# Altium PCB MainBoard.PcbDoc
Units mm, origin at the board's own origin, x right, y up, seen from the top; angles counter-clockwise.
Board outline 80 x 29 mm, 4 copper layers (SIG, AGND, Power, DGND), stack 0.778 mm thick; 87 components, 63 nets, 323 pads, 143 vias.
Unrouted connection lines stored in the file: 3.
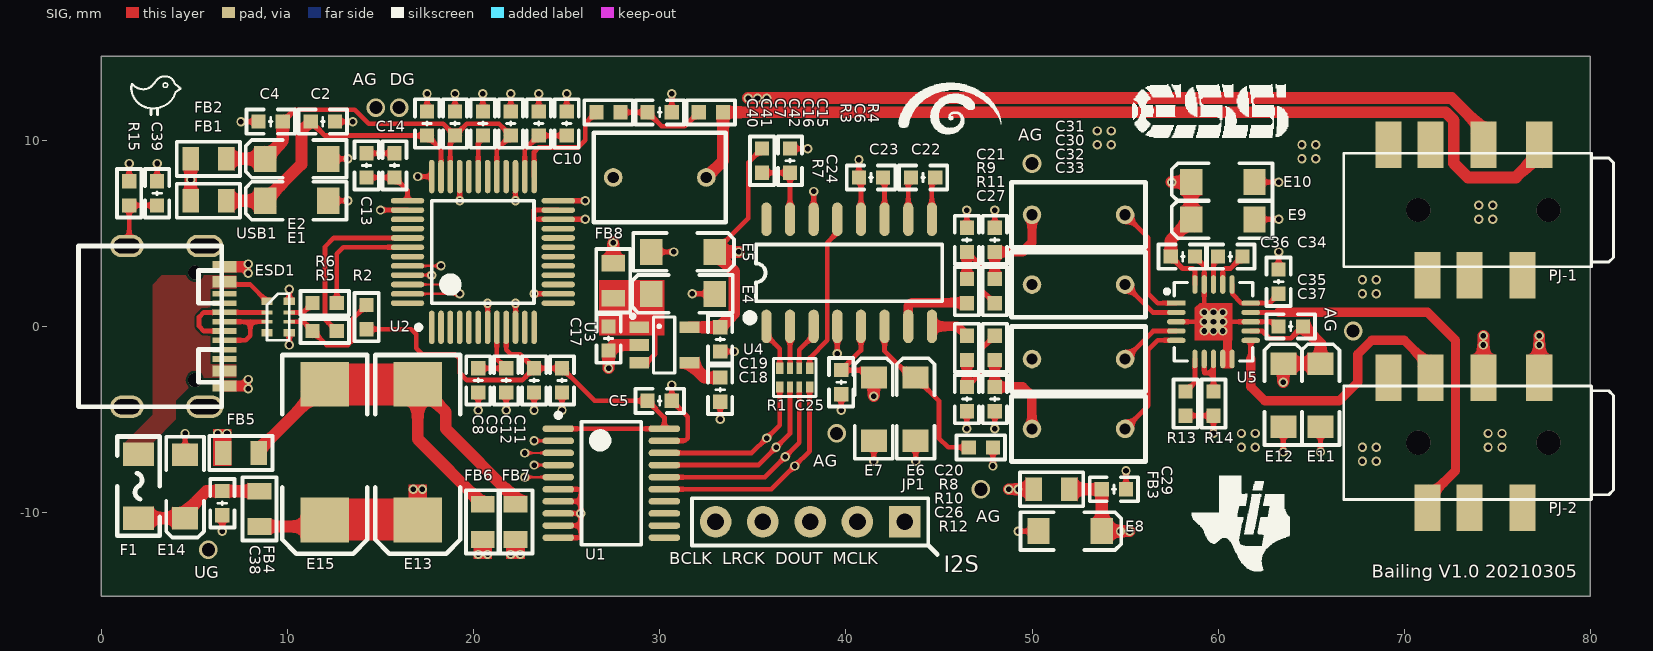
[diagram p0: SIG view]
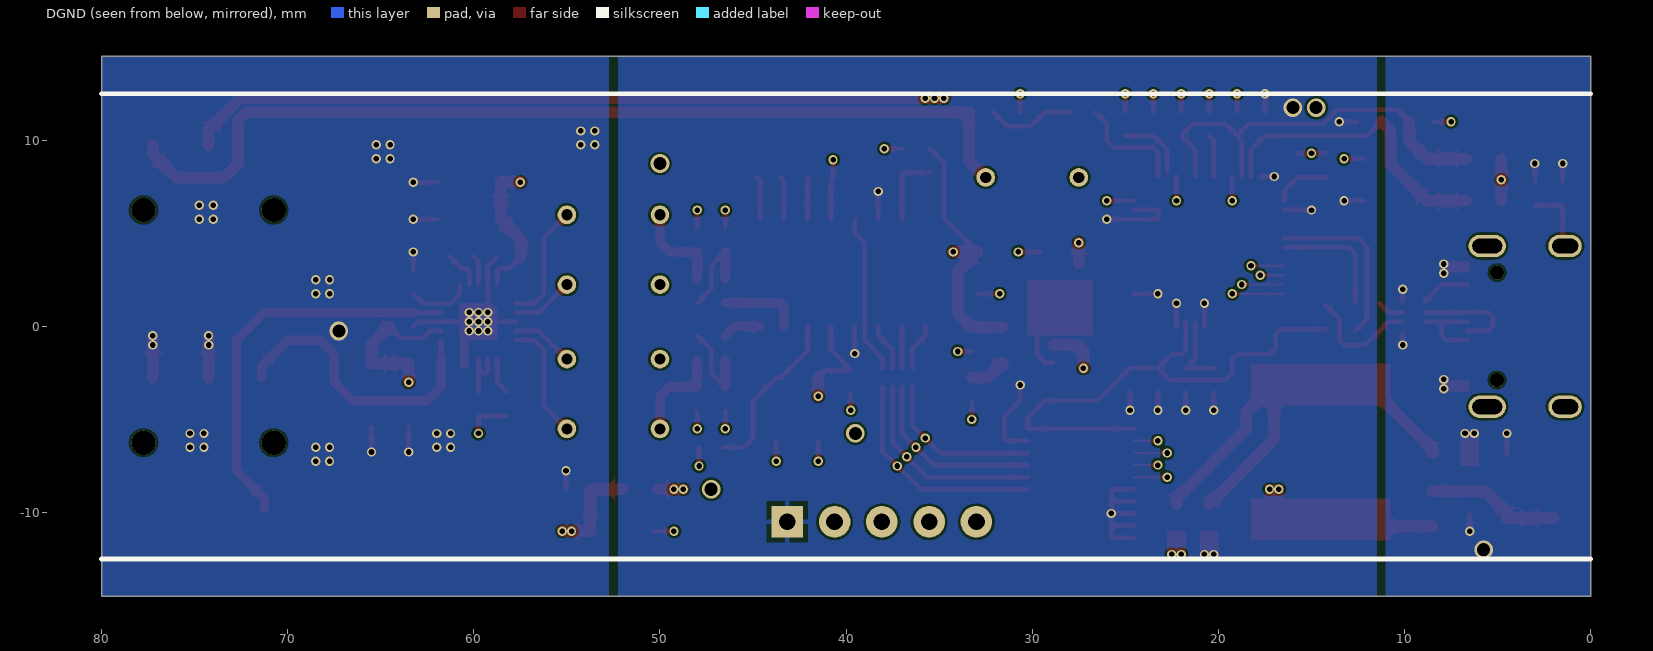
[diagram p1: DGND view, seen from below]
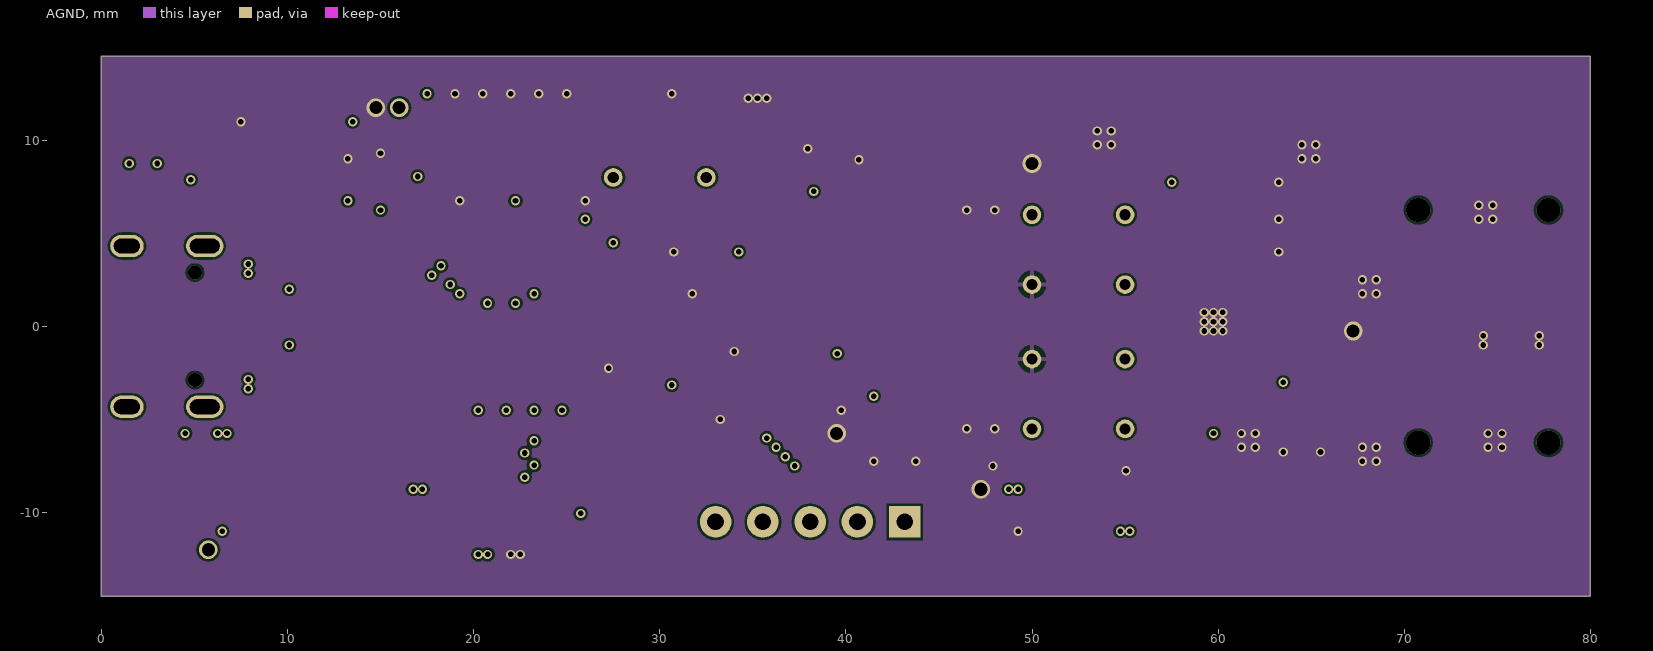
[diagram p2: AGND]
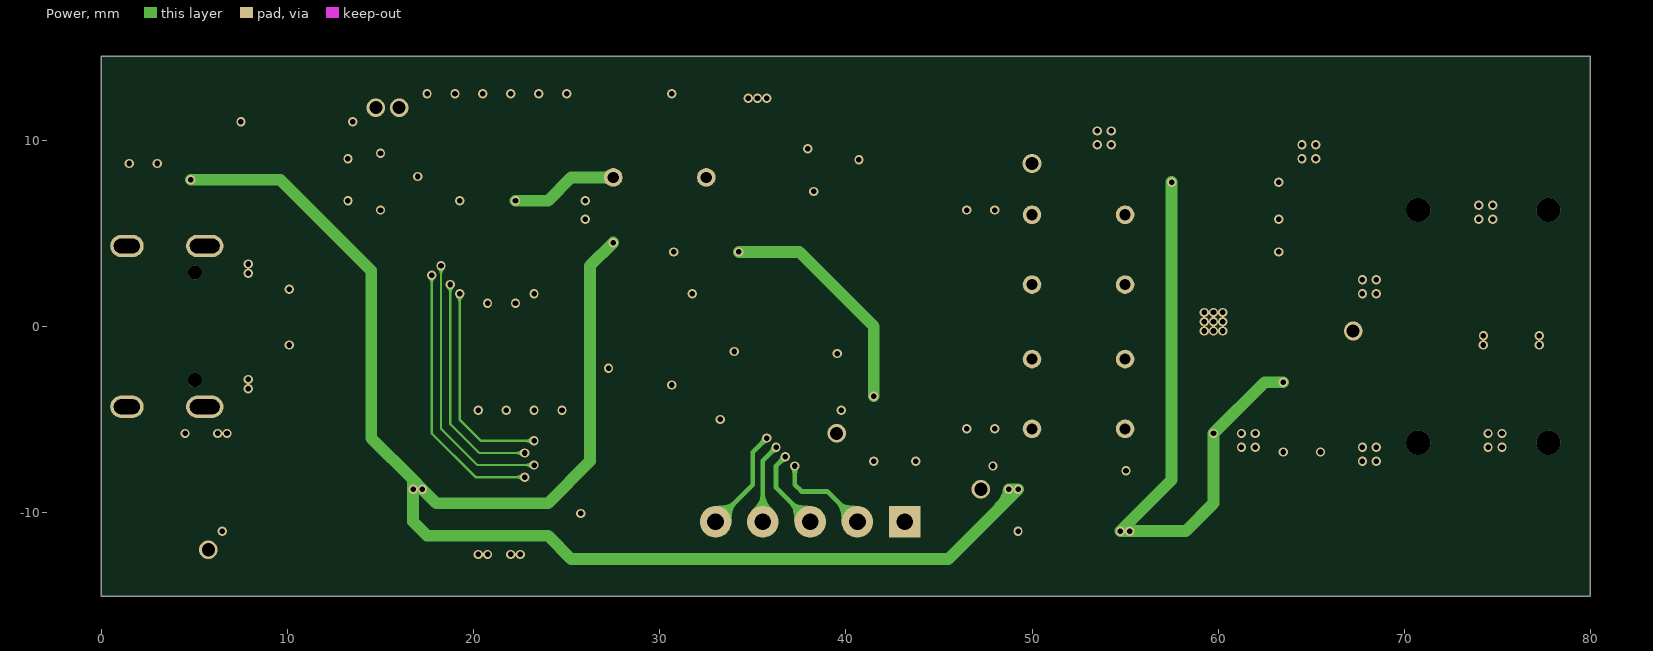
[diagram p3: Power]

## Layer stack, top to bottom
Top Solder: solder mask 0.0102, Solder Resist, Dk 3.5
SIG: signal copper 0.0356
Dielectric 1: core 0.254, FR-4, Dk 4.2
AGND: signal copper 0.036
Dielectric 3: prepreg 0.127, Dk 4.2
Power: signal copper 0.036
Dielectric 2: core 0.254, Dk 4.2
DGND: signal copper 0.0356
Bottom Solder: solder mask 0.0102, Solder Resist, Dk 3.5

## Board outline
0,-14.5 0,14.5 80,14.5 80,-14.5

## Design rules (kind name [scope] priority, off if disabled: settings)
Clearance [All] p1: gap=0.127
PolygonConnect PolygonConnect_FULL [IsVia or InNet('NetESD1_1')] p1: connectstyle=Direct reliefconductorwidth=0.254 reliefentries=4 polygonreliefangle="90 Angle" airgapwidth=0.254
PolygonConnect PolygonConnect_1 [All] p2: connectstyle=Relief reliefconductorwidth=0.254 reliefentries=4 polygonreliefangle="90 Angle" airgapwidth=0.254
RoutingVias [All] p1: holewidth=0.711 width=1.27 viastyle="Through Hole" minholewidth=0.711 minwidth=1.27 maxholewidth=0.711 maxwidth=1.27
SolderMaskExpansion [All] p1: expansion=0.102
Width [All] p1: maxlimit=1.27 minlimit=0.127 preferedwidth=0.254
30 further rules are at their usual default settings.

## Classes and differential pairs
component class AMP: C29 C30 C31 C32 C33 C34 C35 C36 C37 E8 E9 E10 E11 E12 FB3 PJ-2 R13 R14
component class DAC: C17 C18 C19 C20 C21 C22 C23 C24 C25 C26 C27 E4 E5 E6 E7 FB8 R7 R8 R9 R10 R11 R12 U3 U4
component class I2S_MIC: C2 C4 C5 C6 C7 C8 C9 C10 C11 C12 C13 C14 C15 C16 C40 C41 C42 E1 E2 FB1 FB2 JP1 PJ-1 R1 R2 R3 R4 R5 R6 U1 U2
component class USB: C38 C39 E13 E14 E15 ESD1 F1 FB4 FB5 FB6 FB7 R15 USB1

## Components (designator, comment, footprint, x,y, rotation, side; value= is the part's Value field where it differs from the comment)
C2 "104" "C 0603_L" 11.9,11 r180 top
C4 "104" "C 0603_L" 9.1,11 r0 top
C5 "104" "C 0603_L" 30,-4 r180 top
C6 "4.7uF" "C 0603_L" 30,11.5 r0 top
C7 "1uF" "C 0603_L" 20.5,10.9 r270 top
C8 "4.7uF" "C 0603_L" 20.25,-2.9 r90 top
C9 "104" "C 0603_L" 21.75,-2.9 r270 top
C10 "1uF" "WIMA 1uF" 30,8 r0 top
C11 "4.7uF" "C 0603_L" 24.75,-2.9 r90 top
C12 "104" "C 0603_L" 23.25,-2.9 r270 top
C13 "4.7uF" "C 0603_L" 14.25,8.65 r270 top
C14 "104" "C 0603_L" 15.75,8.65 r90 top
C15 "4.7uF" "C 0603_L" 25,10.9 r270 top
C16 "104" "C 0603_L" 23.5,10.9 r90 top
C17 "104" "C 0603_L" 27.25,-0.65 r90 top
C18 "22nF" "C 0603_L" 33.25,-3.4 r90 top
C19 "104" "C 0603_L" 33.25,-0.7 r90 top
C20 "4.7nF" "C 0603_L" 46.5,4.645 r90 top
C21 "1nF" "C 0603_L" 48,4.645 r90 top
C22 "105" "C 0603_L" 44.15,8 r180 top
C23 "105" "C 0603_L" 41.35,8 r180 top
C24 "4.7uF" "C 0603_L" 37,8.9 r90 top
C25 "104" "C 0603_L" 39.75,-3 r90 top
C26 "4.7nF" "C 0603_L" 46.5,-3.905 r90 top
C27 "1nF" "C 0603_L" 48,-3.905 r90 top
C29 "104" "C 0603_L" 54.4,-8.75 r180 top
C30 "0.47uF" "WIMA 0.47uF" 52.5,2.245 r0 top
C31 "0.47uF" "WIMA 0.47uF" 52.5,5.995 r0 top
C32 "0.47uF" "WIMA 0.47uF" 52.5,-1.755 r0 top
C33 "0.47uF" "WIMA 0.47uF" 52.5,-5.505 r0 top
C34 "1uF" "C 0603_L" 60.65,3.75 r0 top
C35 "1uF" "C 0603_L" 63.25,2.4 r90 top
C36 "104" "C 0603_L" 58.1,3.75 r180 top
C37 "104" "C 0603_L" 63.9,0 r0 top
C38 "104" "C 0603_L" 6.5,-9.5 r90 top
C39 "103" "C 0603_L" 3,7.15 r90 top
C40 "104" "C 0603_L" 17.5,10.9 r90 top
C41 "104" "C 0603_L" 19,10.9 r90 top
C42 "104" "C 0603_L" 22,10.9 r270 top
E1 "10uF/25V" "CD A(3216)" 10.5,6.75 r0 top
E2 "10uF/25V" "CD A(3216)" 10.5,9 r0 top
E4 "10uF/25V" "CD A(3216)" 31.25,1.75 r0 top
E5 "10uF/25V" "CD A(3216)" 31.25,4 r180 top
E6 "10uF/25V" "CD A(3216)" 43.75,-4.45 r270 top
E7 "10uF/25V" "CD A(3216)" 41.5,-4.45 r270 top
E8 "10uF/25V" "CD A(3216)" 52.05,-11 r180 top
E9 "10uF/25V" "CD A(3216)" 60.25,5.75 r0 top
E10 "10uF/25V" "CD A(3216)" 60.25,7.75 r0 top
E11 "10uF/25V" "CD A(3216)" 65.5,-3.7 r270 top
E12 "10uF/25V" "CD A(3216)" 63.5,-3.7 r270 top
E13 "100uF/25V" "CD D(7343)" 17,-6.75 r90 top
E14 "10uF/25V" "CD A(3216)" 4.5,-8.6 r90 top
E15 "100uF/25V" "CD D(7343)" 12,-6.75 r90 top
ESD1 "ECMF02-4CMX8" QFN8L 9.5,0.5 r270 top
F1 "0.5A" "FU 1206" 2,-8.586 r270 top
FB1 "600R" "R 0805_L" 5.75,6.75 r0 top
FB2 "600R" "R 0805_L" 5.75,9 r0 top
FB3 "600R" "R 0805_L" 51.05,-8.75 r0 top
FB4 "600R" "R 0805_L" 8.5,-9.8 r270 top
FB5 "600R/0R" "R 0805_L" 7.5,-6.8 r0 top
FB6 "600R" "R 0805_L" 20.5,-10.5 r90 top
FB7 "600R" "R 0805_L" 22.25,-10.5 r90 top
FB8 "600R" "R 0805_L" 27.5,2.45 r270 top
JP1 "HDR-1X5" HDR2.54-LI-5P 38.08,-10.5 r180 top
PJ-1 "J?" PJ-393-7A 74.001,6.25 r270 top locked
PJ-2 "J?" PJ-393-7A 74.001,-6.25 r270 top locked
R1 "33R" RCA-8P4R-0402 37.25,-2.75 r180 top
R2 "1.5K" "R 0603_L" 14.25,0.5 r270 top
R3 "2.2K" "R 0603_L" 27.25,11.5 r0 top
R4 "1.2K" "R 0603_L" 32.75,11.5 r0 top
R5 "22R" "R 0603_L" 12,-0.25 r0 top
R6 "22R" "R 0603_L" 12,1.25 r0 top
R7 "100K" "R 0603_L" 35.5,8.9 r270 top
R8 "470R" "R 0603_L" 46.5,1.895 r270 top
R9 "470R" "R 0603_L" 48,1.895 r270 top
R10 "470R" "R 0603_L" 46.5,-1.155 r90 top
R11 "470R" "R 0603_L" 48,-1.155 r90 top
R12 "130K" "R 0603_L" 47.25,-6.5 r180 top
R13 "10K" "R 0603_L" 58.25,-4.15 r90 top
R14 "10K" "R 0603_L" 59.75,-4.15 r90 top
R15 "1M" "R 0603_L" 1.5,7.15 r90 top
U1 "SN74LVC245" TSSOP20_N 27.4,-8.425 r0 top
U2 "CM108B" LQFP48_N 20.5,4 r90 top
U3 "RT9193" SOT23-5N 30.25,-1 r270 top
U4 "ES9023" SOP16_N 40.175,2.877 r90 top
U5 "TPA6133A2" "QFN20 4X4_N" 59.75,0.25 r270 top
USB1 "Type-C" USB-TYPE-C_16PIN-MALE-TYPE-C-31-M-12 4,0 r270 top locked

## Footprints (in the part's own frame and the unit in brackets; to place one, negate y for a bottom-side part, rotate by r counter-clockwise, add the part's x,y. Pads: shape width x height; smd on the part's side, far side on the other; paste and mask are expansions set on the pad)
"C 0603_L" [mil] "无极性贴片电容                                       淘宝ID:黄晶宝石"
  rect 30x30 smd: 1(-25.59,0) 2(25.59,0)
  silkscreen extent -51,-26 51,26, body extent -31,-16 31,16, height 32
"CD A(3216)" [mm] "长3.2mm，宽1.6mm，厚1.6mm      淘宝ID:黄晶宝石"
  rect 1.2x1.4 smd: 1(-1.7,0) 2(1.7,0)
  silkscreen extent -2.74,-1.02 2.67,1.02, body extent -1.6,-0.8 1.6,0.8, height 1.6
"CD D(7343)" [mm] "长7.3mm，宽4.3mm，厚2.8mm      淘宝ID:黄晶宝石"
  rect 2.4x2.6 smd: 1(-3.65,0) 2(3.65,0)
  silkscreen extent -5.46,-2.29 5.21,2.29, body extent -3.65,-2.15 3.65,2.15, height 2.8
"FU 1206" [mil] "贴片保险丝"
  rect 50x65 smd: 1(-67.5,0) 2(67.5,0)
  silkscreen extent -105,-45 105,45, body extent -63,-32 63,32, height 34
HDR2.54-LI-5P [mm] "排针，5脚"
  rect 1.7x1.7 hole 0.9: 1(-5.08,0)
  round 1.7 hole 0.9: 2(-2.54,0) 3(0,0) 4(2.54,0) 5(5.08,0)
  silkscreen extent -6.35,-1.27 6.35,1.27, body extent -6.35,-1.27 6.35,1.27, height 8.5
LQFP48_N [mm] "封装库来自淘宝 ID：黄晶宝石 Thin QFP, 48-Leads, Body 7x7mm, Pitch 0.5mm, IPC Medium Density"
  oval 1.8x0.3 smd: 1(-4.05,2.75) 2(-4.05,2.25) 3(-4.05,1.75) 4(-4.05,1.25) 5(-4.05,0.75) 6(-4.05,0.25) 7(-4.05,-0.25) 8(-4.05,-0.75) 9(-4.05,-1.25) 10(-4.05,-1.75) 11(-4.05,-2.25) 12(-4.05,-2.75) 25(4.05,-2.75) 26(4.05,-2.25) 27(4.05,-1.75) 28(4.05,-1.25) 29(4.05,-0.75) 30(4.05,-0.25) 31(4.05,0.25) 32(4.05,0.75) 33(4.05,1.25) 34(4.05,1.75) 35(4.05,2.25) 36(4.05,2.75)
  oval 0.3x1.8 smd: 13(-2.75,-4.05) 14(-2.25,-4.05) 15(-1.75,-4.05) 16(-1.25,-4.05) 17(-0.75,-4.05) 18(-0.25,-4.05) 19(0.25,-4.05) 20(0.75,-4.05) 21(1.25,-4.05) 22(1.75,-4.05) 23(2.25,-4.05) 24(2.75,-4.05) 37(2.75,4.05) 38(2.25,4.05) 39(1.75,4.05) 40(1.25,4.05) 41(0.75,4.05) 42(0.25,4.05) 43(-0.25,4.05) 44(-0.75,4.05) 45(-1.25,4.05) 46(-1.75,4.05) 47(-2.25,4.05) 48(-2.75,4.05)
  silkscreen extent -4.17,-2.75 2.75,3.57, body extent -4.5,-4.5 4.5,4.5, height 1.45
PJ-393-7A [mm]
  rect 2.5x1.4 smd: 1(-3.5,3.25) 2(-3.5,0.25) 3(-3.5,-2.6) 4(3.5,-2.75) 5(3.5,2.35) 6(3.5,-0.5) 7(-3.5,-4.85)
  round 1.3 hole 1.3 unplated: ""(0,3.749) ""(0,-3.249)
  silkscreen extent -3.05,-7.25 3.05,7.24
QFN8L [mm]
  rect 0.4x0.6 smd: 1(-0.85,-0.6) 4(0.85,-0.6) 5(0.85,0.6) 8(-0.85,0.6)
  rect 0.2x0.6 smd: 2(-0.25,-0.6) 3(0.25,-0.6) 6(0.25,0.6) 7(-0.25,0.6)
  silkscreen extent -1.25,-0.6 1.25,0.6
"QFN20 4X4_N" [mm] "20脚，长x宽x高：4x4x0.95mm，脚距：0.5mm"
  rect 0.28x1 smd: 1(-1,-2)
  oval 0.28x1 smd: 2(-0.5,-2) 3(0,-2) 4(0.5,-2) 5(1,-2) 11(1,2) 12(0.5,2) 13(0,2) 14(-0.5,2) 15(-1,2)
  oval 1x0.28 smd: 6(2,-1) 7(2,-0.5) 8(2,0) 9(2,0.5) 10(2,1) 16(-2,1) 17(-2,0.5) 18(-2,0) 19(-2,-0.5) 20(-2,-1)
  rect 1x1 smd: 21(0,0)
  SIG region: -1,1 1,1 1,-1 -0.75,-1 -1,-0.75
  silkscreen extent -2.11,-2.6 2.11,2.11, body extent -2.01,-2.01 2.01,2.01, height 0.95
"R 0603_L" [mil] "1/10W贴片电阻                 淘宝ID:黄晶宝石"
  rect 30x30 smd: 1(-25.59,0) 2(25.59,0)
  silkscreen extent -51,-26 51,26, body extent -31,-16 32,16, height 16
"R 0805_L" [mil] "1/8W贴片电阻"
  rect 35x50 smd: 1(-37.4,0) 2(37.4,0)
  silkscreen extent -67,-36 67,36, body extent -39,-25 39,25, height 20
RCA-8P4R-0402 [mm] "2mm*1mm*0.45mm(长*宽*厚)"
  rect 0.4x0.6 smd: 1(-0.8,-0.5) 4(0.8,-0.5) 5(0.8,0.5) 8(-0.8,0.5)
  rect 0.3x0.6 smd: 2(-0.25,-0.5) 3(0.25,-0.5) 6(0.25,0.5) 7(-0.25,0.5)
  silkscreen extent -1.14,-1.02 1.15,1.01, body extent -1,-0.5 1,0.5, height 0.45
SOP16_N [mm] "10.3*6.2*1.8mm（长宽高）封装库来自淘宝卖家 ID：黄晶宝石"
  oval 1.8x0.55 smd: 1(-2.877,4.445) 2(-2.877,3.175) 3(-2.877,1.905) 4(-2.877,0.635) 5(-2.877,-0.635) 6(-2.877,-1.905) 7(-2.877,-3.175) 8(-2.877,-4.445) 9(2.877,-4.445) 10(2.877,-3.175) 11(2.877,-1.905) 12(2.877,-0.635) 13(2.877,0.635) 14(2.877,1.905) 15(2.877,3.175) 16(2.877,4.445)
  silkscreen extent -2.57,-5 1.52,5.49, body extent -3,-5 3,5, height 1.9
SOT23-5N [mm] "3x1.6x1.1mm(长宽高)  封装库来自淘宝卖家 ID：黄晶宝石"
  rect 0.635x1.067 smd: 1(-0.95,-1.35) 2(0,-1.35) 3(0.95,-1.35) 4(0.95,1.35) 5(-0.95,1.35)
  silkscreen extent -1.63,-1.78 1.5,0.56, body extent -1.5,-1.4 1.5,1.4, height 1.15
TSSOP20_N [mm] "TSOP, 20-Leads, Body 6.5x4.4mm, Pitch 0.65mm, IPC Medium Density"
  oval 1.7x0.35 smd: 1(-2.85,2.925) 2(-2.85,2.275) 3(-2.85,1.625) 4(-2.85,0.975) 5(-2.85,0.325) 6(-2.85,-0.325) 7(-2.85,-0.975) 8(-2.85,-1.625) 9(-2.85,-2.275) 10(-2.85,-2.925) 11(2.85,-2.925) 12(2.85,-2.275) 13(2.85,-1.625) 14(2.85,-0.975) 15(2.85,-0.325) 16(2.85,0.325) 17(2.85,0.975) 18(2.85,1.625) 19(2.85,2.275) 20(2.85,2.925)
  silkscreen extent -2.97,-3.3 1.6,3.77, body extent -3.2,-3.22 3.2,3.27, height 1.03
USB-TYPE-C_16PIN-MALE-TYPE-C-31-M-12 [mm]
  oval 1.2x2 hole 0.8 slot 1.6 at 90 deg: 0(-4.32,1.556) 0(4.32,1.556)
  oval 1.2x1.8 hole 0.8 slot 1.4 at 90 deg: 0(-4.32,-2.624) 0(4.32,-2.624)
  rect 0.3x1.3 smd: A1(-3.35,2.623) A4(-2.55,2.623) A5(-1.25,2.623) A6(-0.25,2.623) A7(0.25,2.623) A8(1.25,2.624) A9(2.55,2.623) A12(3.35,2.623) B1(3.05,2.623) B4(2.25,2.623) B5(1.75,2.623) B6(0.75,2.623) B7(-0.75,2.623) B8(-1.75,2.624) B9(-2.25,2.623) B12(-3.05,2.623)
  round 0.75 hole 0.75 unplated: ""(-2.89,1.026) ""(2.89,1.026)
  silkscreen extent -4.32,-5.23 4.32,2.47
"WIMA 0.47uF" [mm] "5mm脚距 7.2宽8.5高3.5mm厚"
  round 1 hole 0.6: 1(-2.5,0) 2(2.5,0)
  silkscreen extent -3.6,-1.75 3.6,1.75
"WIMA 1uF" [mm] "5mm脚距7.1宽*9.7高*4.8厚"
  round 1 hole 0.6: 1(-2.5,0) 2(2.5,0)
  silkscreen extent -3.55,-2.4 3.55,2.4

## Part data
C2 C4 C5 C6 C7 C8 C9 C10 C11 C12 C13 C14 C15 C16 C17 C18 C19 C20 C21 C22 C23 C24 C25 C26 C27 C29 C30 C31 C32 C33 C34 C35 C36 C37 C38 C39 C40 C41 C42: library part C, "贴片电容"
E1 E2 E4 E5 E6 E7 E8 E9 E10 E11 E12 E13 E14 E15: library part CT, "贴片钽电容"
ESD1: "Common mode filter with ESD protection for USB 2.0 interface"
F1: library part FU, "贴片保险丝"
FB1 FB2 FB3 FB4 FB5 FB6 FB7 FB8 R2 R3 R4 R5 R6 R7 R8 R9 R10 R11 R12 R13 R14 R15: library part R, "贴片电阻"
JP1: library part "Header 5", "5P接插件"
PJ-1 PJ-2: library part PJ-393-7, "3.5mm 4段 耳机插座"
R1: library part R-8P4R, "贴片排阻"
U2: "USB"
U3: "高PSRR低噪声高速稳压"
U4: "24bit DAC 2Vrms"

## Via types
v1: diameter 0.5, hole 0.3, SIG to DGND, tented both sides, 136 vias
v2: diameter 1, hole 0.7, SIG to DGND, 7 vias

## Nets (pads, with @x,y where several pads share a name; then routed paths per layer and width w, separated by ;. In a path a pad name is that pad's centre, name@x,y a point inside that pad or via, vN(x,y) a via of type N, cw(c..) or ccw(c..) an arc to the next point about the centre after c; other vN are vias at no path point)
5V0: E13.1 E15.1 FB1.1 FB2.1 FB3.1 FB4.2 FB8.1 | length 94.1
  SIG w0.635: FB1.1 v1(4.8,7.875) FB2.1 ; FB4.2 11.65,-10.75 E15.1 ; FB8.1 v1(27.5,4.5) ; v1(48.75,-8.75) FB3.1
  Power w0.635: v1(4.8,7.875) 9.625,7.875 14.5,3 14.5,-6 16.75,-8.25 ; v1(27.5,4.5) 26.25,3.25 26.25,-7.25 24,-9.5 18,-9.5 v1(17.25,-8.75) ; v1(16.75,-8.75) v1(17.25,-8.75) ; v1(16.75,-8.75) 16.75,-8.25 ; v1(16.75,-8.75) 16.75,-10.5 17.5,-11.25 24,-11.25 25.25,-12.5 45.5,-12.5 48.75,-9.25 ; 16.75,-8.25 v1(17.25,-8.75) ; 48.75,-9.25 v1(49.25,-8.75) v1(48.75,-8.75) 48.75,-9.25
A3V6: C19.2 C25.2 E5.1 E7.1 R7.1 U3.5 U4.5 | length 32.7
  SIG w0.254: E5.1 34.75,5.8 34.75,8.8 R7.1 ; U4.5 40.81,-1.29 C25.2 41.1,-2.35 E7.1
  SIG w0.635: U3.5 C19.2 34,0.7 34,2.95 E5.1 v1(34.25,4) ; v1(41.5,-3.75) E7.1
  Power w0.635: v1(34.25,4) 37.5,4 41.5,0 v1(41.5,-3.75)
AGND: C4.1 C6.2 C7.1 C13.1 C14.2 C15.1 C16.2 C17.1 C18.1 C19.1 C20.2 C21.2 C23.2 C24.2 C25.1 C26.1 C27.1 C29.1 C30.1 C32.1 C35.2 C36.1 C37.1 C41.2 C42.1 E2.2 E4.2 E5.2 E6.2 E7.2 E8.2 E9.2 E10.2 E11.2 E12.2 FB7.1 PJ-1.2 PJ-2.1 PJ-2.2 R12.1 U2.24 U2.33 U3.2 U4.12 U5.3 U5.9 U5.10 U5.13 U5.19 U5.21 | length 95
  SIG w0.25: v1(47.9,-7.5) R12.1 ; C29.1 v1(55.05,-7.75) ; C36.1 59.25,3.25 U5.19
  SIG w0.254: v1(7.5,11) C4.1 ; E2.2 v1(13.25,9) ; C13.1 v1(15,9.3) C14.2 ; C41.2 v1(19,12.5) ; v1(19.25,6.75) U2.33 ; C7.1 v1(20.5,12.5) ; C42.1 v1(22,12.5) ; C16.2 v1(23.5,12.5) ; U2.24 v1(26,6.75) ; C15.1 v1(25,12.5) ; E5.2 v1(30.75,4) ; C6.2 v1(30.65,12.5) ; v1(31.75,1.75) E4.2 ; v1(33.25,-5) C18.1 ; C19.1 v1(34,-1.35) ; C24.2 v1(37.95,9.55) ; v1(39.75,-4.5) C25.1 ; v1(40.7,8.95) C23.2 40.81,7.89 U4.12 ; v1(41.5,-7.25) E7.2 ; v1(43.75,-7.25) E6.2 ; v1(46.5,-5.5) C26.1 ; C20.2 v1(46.5,6.25) ; v1(48,-5.5) C27.1 ; C21.2 v1(48,6.25) ; v1(49.25,-11) E8.2 ; U5.3 v1(59.25,0.25) v1(59.75,0.25) ; U5.19 v1(59.25,0.75) v1(59.75,0.25) ; v1(60.25,-0.25) v1(59.75,0.25) ; E9.2 v1(63.25,5.75) ; E10.2 v1(63.25,7.75) ; C37.1 63,0.25 U5.13 v1(60.25,0.25) v1(59.75,0.25) ; C35.2 v1(63.25,4) ; v1(63.5,-6.75) E12.2 ; v1(65.5,-6.75) E11.2
  SIG w0.635: v1(27.25,-2.25) C17.1 27.55,-1 U3.2 ; v1(34.75,12.262) v1(35.25,12.262) 72.545,12.262 74.251,10.556 PJ-1.2 ; PJ-2.2@74.25,-2.749 PJ-2.2 v1(74.251,-0.5) ; PJ-2.1 v1(77.251,-0.5)
  other v1: 22,-12.25 22.5,-12.25 67.75,-7.25 68.5,-7.25 61.25,-6.5 62,-6.5 67.75,-6.5 68.5,-6.5 74.5,-6.5 75.25,-6.5 61.25,-5.75 62,-5.75 74.5,-5.75 75.25,-5.75 74.25,-1 77.25,-1 59.25,-0.25 59.75,-0.25 59.75,0.75 60.25,0.75 67.75,1.75 68.5,1.75 67.75,2.5 68.5,2.5 74,5.75 74.75,5.75 74,6.5 74.75,6.5 64.5,9 65.25,9 53.5,9.75 54.25,9.75 64.5,9.75 65.25,9.75 53.5,10.5 54.25,10.5 35.75,12.25
  other v2: 47.25,-8.75 39.5,-5.75 67.25,-0.25 50,8.75 14.75,11.75
AOUTL: R8.2 U4.7 | length 4.3
  SIG w0.508: U4.7 43.35,1.1 43.531,1.281 R8.2@46.5,1.281
AOUTR: R10.2 U4.8 | length 2.1
  SIG w0.508: U4.8 45.995,0 R10.2
AREG36: C13.2 C14.1 U2.37 | length 3
  SIG w0.254: C13.2 C14.1 16.45,7.3 U2.37
BCK: R1.4 U4.1 | length 2.5
  SIG w0.254: U4.1 35.73,-0.48 36.45,-1.2 R1.4
CM_A5V0: C4.2 C41.1 C42.2 E2.1 FB2.2 U2.29 U2.34 | length 22.9
  SIG w0.254: C4.2 10.385,11.635 13.615,11.635 14.365,10.885 18.365,10.885 C41.1 ; U2.34 18.75,10 C41.1 ; U2.29 21.25,9.5 C42.2 21.365,10.885 19.635,10.885 C41.1
  SIG w0.635: FB2.2 E2.1 9.75,9.95 C4.2
CM_D5V0: C2.2 C40.1 E1.1 FB1.2 U2.35 | length 16.4
  SIG w0.254: C2.2 12,10.25 C40.1 18.25,9.5 U2.35
  SIG w0.635: FB1.2 E1.1 10.75,8.7 10.75,10.5 C2.2
D+: ESD1.3 USB1.A6 USB1.B6 | length 4.5
  SIG w0.254: USB1.B6 7.75,-0.75 8,-0.5 8,0.25 ; USB1.A6 8,0.25 ; ESD1.3 8,0.25
D-: ESD1.2 USB1.A7 USB1.B7 | length 5.7
  SIG w0.254: USB1.A7 5.5,-0.25 5.25,0 5.25,0.5 5.5,0.75 USB1.B7 ESD1.2
DALRCK: U1.3 U2.46 | length 16.2
  SIG w0.127: U2.46 v1(18.75,2.25) ; v1(22.75,-6.8) U1.3
  Power w0.127: v1(18.75,2.25) 18.75,-5.25 20.3,-6.8 v1(22.75,-6.8)
DAMCLK: U1.5 U2.45 | length 17.6
  SIG w0.127: U2.45 v1(17.75,2.75) ; v1(22.75,-8.1) U1.5
  Power w0.127: v1(17.75,2.75) 17.75,-5.75 20.1,-8.1 v1(22.75,-8.1)
DASCLK: U1.2 U2.47 | length 15.3
  SIG w0.127: U2.47 v1(19.25,1.75) ; v1(23.25,-6.15) U1.2
  Power w0.127: v1(19.25,1.75) 19.25,-5 20.4,-6.15 v1(23.25,-6.15)
DGND: C2.1 C5.1 C8.1 C9.2 C11.1 C12.2 C40.2 E1.2 FB6.1 JP1.1 U1.6 U1.7 U1.8 U1.9 U1.10 U1.19 U2.7 U2.10 U2.14 U2.22 U2.23 U2.36 U2.38 U4.4 U4.14 | length 33.5
  SIG w0.254: E1.2 v1(13.25,6.75) ; C2.1 v1(13.5,11) ; v1(15,6.25) U2.38 ; v1(17,8.05) U2.36 ; C40.2 v1(17.5,12.5) ; v1(20.25,-4.5) C8.1 ; U2.7 v1(20.75,1.25) ; v1(21.75,-4.5) C9.2 ; U2.10 v1(22.25,1.25) ; v1(23.25,-4.5) C12.2 ; v1(23.25,1.75) U2.14 ; U1.10 25.75,-11.35 25.75,-10.7 ; U1.9 25.75,-10.7 ; U1.8 v1(25.75,-10.05) ; U1.7 25.75,-9.4 ; U1.6 25.75,-8.75 25.75,-9.4 ; U2.23 23.25,6.25 23.25,5.75 U2.22 v1(26,5.75) ; v1(24.75,-4.5) C11.1 ; U1.19 31.35,-6.15 31.5,-6 31.5,-4.85 C5.1 v1(30.65,-3.15) ; U4.14 v1(38.27,7.25) ; v1(39.54,-1.46) U4.4 ; 25.75,-10.7 v1(25.75,-10.05) ; v1(25.75,-10.05) 25.75,-9.4
  other v1: 20.25,-12.25 20.75,-12.25
  other v2: 16,11.75
DREG18: C8.2 C9.1 U2.8 | length 4.2
  SIG w0.254: C8.2 C9.1 21.25,-1.75 U2.8 U2.8@21.25,0.2
DREG33: C5.2 C11.2 C12.1 R2.2 U1.1 U1.20 U2.9 | length 29
  SIG w0.254: R2.2 16.65,-0.15 16.912,-0.412 16.912,-1.162 17.25,-1.5 19,-1.5 19.25,-1.75 19.25,-2.5 19.635,-2.885 22.615,-2.885 C12.1 ; U2.9@21.75,0.2 U2.9 21.75,-1.25 22,-1.5 22.5,-1.5 C12.1 ; U1.1 U1.20 30.25,-4.9 C5.2 26.5,-4 C11.2 C12.1
LRCK: R1.3 U4.2 | length 2.3
  SIG w0.254: R1.3 U4.2
MCLK: R1.1 U4.13 | length 8.6
  SIG w0.254: R1.1 38.05,-1.7 39,-0.75 39,4.5 39.54,5.04 U4.13
NetC6_1: C6.1 R3.2 R4.1 | length 4.8
  SIG w0.254: R3.2 C6.1 30.1,10.75 31.35,10.75 R4.1
NetC7_2: C7.2 U2.31 | length 2.3
  SIG w0.254: U2.31 20.25,10 C7.2
NetC10_1: C10.1 U2.27 | length 7.1
  SIG w0.254: v1(22.25,6.75) U2.27
  Power w0.635: v1(22.25,6.75) 24,6.75 25.25,8 C10.1
NetC17_2: C17.2 E4.1 FB8.2 U3.1 U3.3 | length 4.4
  SIG w0.254: U3.3 29.3,-1.95 29.75,-1.5 29.75,1.55 E4.1
NetC18_2: C18.2 U3.4 | length 2
  SIG w0.635: U3.4 32.4,-2.75 C18.2
NetC20_1: C20.1 R8.1 R9.2 | length 4.8
  SIG w0.254: C20.1 46.505,3.995 47.25,3.25 47.25,1.995 R9.2
  SIG w0.508: R8.1 C20.1
NetC21_1: C21.1 C31.1 R9.1 | length 5.2
  SIG w0.508: R9.1 C21.1 49.495,3.995 50,4.5 C31.1
NetC22_1: C22.1 U4.9 | length 2.3
  SIG w0.254: U4.9 44.62,7.82 C22.1
NetC22_2: C22.2 U4.10 | length 2.3
  SIG w0.254: U4.10 43.35,7.85 C22.2
NetC23_1: C23.1 U4.11 | length 2.3
  SIG w0.254: C23.1 42.08,7.92 U4.11
NetC24_1: C24.1 R7.2 U4.15 | length 4
  SIG w0.254: R7.2 C24.1 U4.15
NetC26_2: C26.2 R10.1 R11.2 | length 4.8
  SIG w0.254: C26.2 47.25,-2.505 47.25,-1.25 47.995,-0.505 R11.2
  SIG w0.508: C26.2 R10.1
NetC27_2: C27.2 C33.1 R11.1 | length 5.4
  SIG w0.508: R11.1 C27.2 49.505,-3.255 49.995,-3.745 49.995,-5.5 C33.1
NetC30_2: C30.2 U5.2 | length 3.4
  SIG w0.254: C30.2 56.495,0.75 U5.2
NetC31_2: C31.2 U5.1 | length 6.5
  SIG w0.254: C31.2 56,4.995 56.005,4.995 56.25,4.75 56.25,1.75 56.75,1.25 U5.1
NetC32_2: C32.2 U5.4 | length 3.4
  SIG w0.254: C32.2 56.505,-0.25 U5.4
NetC33_2: C33.2 U5.5 | length 6.5
  SIG w0.254: C33.2 56.25,-4.255 56.25,-1.25 56.75,-0.75 U5.5
NetC34_1: C34.1 U5.18 | length 1.6
  SIG w0.254: U5.18 59.75,3.5 C34.1
NetC34_2: C34.2 U5.17 | length 2.1
  SIG w0.254: U5.17 60.25,2.988 60.377,3.115 60.665,3.115 C34.2
NetC35_1: C35.1 U5.15 U5.16 | length 3.4
  SIG w0.254: U5.16 60.75,1.75 61.25,1.25 U5.15 62.75,1.25 C35.1
NetC39_1: C39.1 R15.1 USB1.0 | length 3.8
  SIG w0.254: USB1.0@1.376,4.32 1.5,4.444 R15.1 C39.1 ; USB1.0@5.5,4.376 USB1.0@5.556,4.32
NetE6_1: E6.1 R12.2 U4.6 | length 9.2
  SIG w0.254: U4.6 42.08,-1.33 43.5,-2.75 E6.1 45,-4 45,-6 45.5,-6.5 R12.2
NetE13_2: E13.2 E15.2 FB5.2 FB6.2 FB7.2 | length 21.7
  SIG w0.635: FB5.2 8.45,-6.65 E15.2 ; FB6.2 17,-6.05 E13.2 18.5,-4.6 18.5,-5.5 22.25,-9.25 FB7.2
NetESD1_1: ESD1.1 F1.1 USB1.A4 USB1.A9 USB1.B4 USB1.B9 | length 2.6
  SIG w0.254: USB1.B9 8,2.25 ESD1.1
NetESD1_6: ESD1.6 R2.1 R5.1 | length 6.2
  SIG w0.254: ESD1.6 10.85,0.25 R5.1 12.1,-1 13.25,-1 13.5,-0.75 13.5,0.4 R2.1
NetESD1_7: ESD1.7 R6.1 | length 1.5
  SIG w0.254: ESD1.7 10.85,0.75 R6.1
NetJP1_2: JP1.2 R1.8 U1.15 | length 17.3
  SIG w0.254: U1.15 36,-8.75 v1(37.25,-7.5) 38.05,-6.7 R1.8
  Power w0.254: v1(37.25,-7.5) 37.25,-8.5 37.62,-8.87 38.99,-8.87 JP1.2
NetJP1_3: JP1.3 R1.7 U1.16 | length 15.5
  SIG w0.254: U1.16 35.65,-8.1 v1(36.75,-7) 37.5,-6.25 R1.7
  Power w0.254: v1(36.75,-7) 36.25,-7.5 36.25,-8.67 JP1.3
NetJP1_4: JP1.4 R1.6 U1.17 | length 14.2
  SIG w0.254: U1.17 35.3,-7.45 v1(36.25,-6.5) 37,-5.75 R1.6
  Power w0.254: JP1.4 35.54,-7.21 v1(36.25,-6.5)
NetJP1_5: JP1.5 R1.5 U1.18 | length 14.5
  SIG w0.254: U1.18 34.95,-6.8 v1(35.75,-6) 36.45,-5.3 R1.5
  Power w0.254: JP1.5 35,-8.5 35,-6.75 v1(35.75,-6)
NetPJ-2_3: PJ-2.3 U5.11 | length 15.9
  SIG w0.254: 61.75,-1.75 U5.11
  SIG w0.5: 61.75,-1.75 61.75,-3.25 62.5,-4 66.5,-4 67.5,-3 67.5,-1.5 68.25,-0.75 70,-0.75 71.401,-2.151 PJ-2.3
NetPJ-2_4: PJ-2.4 U5.14 | length 21.2
  SIG w0.254: U5.14 63.242,0.75 63.25,0.758
  SIG w0.5: 63.25,0.758 71.242,0.758 72.75,-0.75 72.75,-7.75 71.251,-9.249 PJ-2.4
NetR5_2: R5.2 U2.41 | length 9.4
  SIG w0.254: R5.2 12.015,0.385 12.015,4.265 12.5,4.75 U2.41
NetR6_2: R6.2 U2.42 | length 6.6
  SIG w0.254: R6.2 12.65,3.9 13,4.25 U2.42
NetR13_2: R13.2 U5.6 | length 2
  SIG w0.254: R13.2 58.75,-3 U5.6
NetR14_2: R14.2 U5.7 U5.8 | length 3
  SIG w0.254: U5.7 59.25,-2.5 59.75,-2.5 ; R14.2 59.75,-2.5 ; U5.8 59.75,-2.5
SDI: R1.2 U4.3 | length 2.6
  SIG w0.254: R1.2 37.5,-1.25 38.27,-0.48 U4.3
SDOUT: U1.4 U2.44 | length 17.7
  SIG w0.127: U2.44 v1(18.25,3.25) ; v1(23.25,-7.45) U1.4
  Power w0.127: v1(18.25,3.25) 18.25,-5.5 20.2,-7.45 v1(23.25,-7.45)
TPA_A5V0: C29.2 C36.2 C37.2 E8.1 E9.1 E10.1 E11.1 E12.1 FB3.2 R13.1 R14.1 U5.12 U5.20 | length 59.1
  SIG w0.254: C36.2 58.085,3.115 58.635,3.115 58.75,3 U5.20 ; R13.1 R14.1 v1(59.75,-5.75) ; U5.12 62.378,-0.25 62.764,-0.635 63.915,-0.635 C37.2
  SIG w0.635: FB3.2 C29.2 E8.1 v1(55.25,-11) ; C36.2 57.45,4.65 E9.1 E10.1 v1(57.5,7.75) ; v1(63.5,-3) E12.1 E11.1 65.5,-0.95 C37.2
  Power w0.635: v1(57.5,7.75) 57.5,-8.25 55.25,-10.5 ; v1(63.5,-3) 62.5,-3 v1(59.75,-5.75) 59.75,-9.5 58.25,-11 v1(55.25,-11) ; v1(55.25,-11) v1(54.75,-11) 55.25,-10.5 ; v1(55.25,-11) 55.25,-10.5
UGND: C38.1 C39.2 E14.2 ESD1.5 ESD1.8 FB5.1 R15.2 USB1.A1 USB1.A12 USB1.B1 USB1.B12 | length 12.3
  SIG w0.254: R15.2 v1(1.5,8.75) ; C39.2 v1(3,8.75) ; E14.2 v1(4.5,-5.75) ; v1(10.1,-1) ESD1.5 ; ESD1.8 v1(10.1,2)
  SIG w0.305: v1(6.5,-11) C38.1 ; USB1.A12 v1(7.9,-3.35) ; USB1.B1 7.6,-3.05 ; USB1.B12 7.6,3.05 ; USB1.A1 v1(7.9,3.35) ; 7.6,-3.05 7.8,-2.85 v1(7.9,-2.85) v1(7.9,-3.35) ; 7.6,-3.05 v1(7.9,-3.35) ; 7.6,3.05 7.8,2.85 v1(7.9,2.85) v1(7.9,3.35) ; 7.6,3.05 v1(7.9,3.35)
  other v1: 6.25,-5.75 6.75,-5.75
  other v2: 5.75,-12
VBIAS_IN: R3.1 U2.25 | length 6.1
  SIG w0.254: U2.25 23.25,9.365 23.5,9.615 25.615,9.615 26,10 26,10.9 R3.1
VBIAS_OUT: C10.2 PJ-1.1 R4.2 | length 51.5
  SIG w0.635: C10.2 33.4,8.9 R4.2 72.23,11.5 72.661,11.069 72.661,8.762 73.422,8 76,8 77.251,9.251 PJ-1.1
VBUS: C38.2 E14.1 F1.2 FB4.1 | length 7.3
  SIG w0.635: F1.2 E14.1 4.5,-10 5.65,-8.85 C38.2 FB4.1
VREF: C15.2 C16.1 U2.26 | length 3.8
  SIG w0.254: U2.26@22.75,8.3 22.75,9.5 C16.1 C15.2
pads on no net: ESD1.4 PJ-1. PJ-1.3 PJ-1.4 PJ-1.5 PJ-1.6 PJ-1.7 PJ-2. PJ-2.5 PJ-2.6 PJ-2.7 U1.11 U1.12 U1.13 U1.14 U2.1 U2.2 U2.3 U2.4 U2.5 U2.6 U2.11 U2.12 U2.13 U2.15 U2.16 U2.17 U2.18 U2.19 U2.20 U2.21 U2.28 U2.30 U2.32 U2.39 U2.40 U2.43 U2.48 U4.16 USB1. USB1.A5 USB1.A8 USB1.B5 USB1.B8

## Polygon pours and split planes (outlines as drawn)
NetESD1_1 on SIG "Top Layer-No Net" (solid, remove dead copper, pour order 0): 7.25,2.75 7.25,-2.75 5.25,-2.75 4,-4 4,-5 2.75,-6.25 2.75,-7.5 1.25,-7.5 1.25,-6.25 2.75,-4.75 2.75,2.25 3.25,2.75
AGND on AGND "Top Layer-No Net" (solid, remove dead copper, pour order 8): 0,14.5 80,14.5 80,-14.5 0,-14.5
DGND on DGND "Top Layer-No Net" (solid, remove dead copper, pour order 10): 11.5,14.5 52.25,14.5 52.25,-14.5 11.5,-14.5
UGND on DGND "Top Layer-No Net" (solid, remove dead copper, pour order 12): 0,14.5 11,14.5 11,-14.5 0,-14.5
AGND on DGND "Top Layer-No Net" (solid, remove dead copper, pour order 14): 52.75,14.5 80,14.5 80,-14.5 52.75,-14.5

## Other copper
SIG:
  rectangle net DGND: 20,-12.5 21,-11
  rectangle net AGND: 21.75,-12.5 22.75,-11
  rectangle net 5V0: 10.75,-11.5 18.25,-9.25
  rectangle net NetE13_2: 10.75,-4.25 18.25,-2
  rectangle net 5V0: 16.5,-11.5 17.5,-8.5
  rectangle net UGND: 6,-7.5 7,-5.5
  rectangle net NetC17_2: 26.75,-0.5 30.25,2.5
  rectangle net AGND: 60.25,-2.25 60.75,1.25

## Silkscreen, mask and mechanical layers (free items; w line width, h text height)
Top Overlay:
  drawing of 23 lines, arcs and shapes, not listed
  text "AG" at 13.5,12.75 h1.1
  text "DG" at 15.5,12.75 h1.1
  text "AG" at 49.25,9.75 h1.1
  text "AG" at 65.5,1 h1.1 r270
  text "AG" at 38.25,-7.75 h1.1
  text "AG" at 47,-10.75 h1.1
  text "BCLK  LRCK  DOUT  MCLK" at 30.5,-13 h1.1
  text "I2S" at 45.25,-13.5 h1.5
  text "UG" at 5,-13.75 h1.1
  text "Bailing V1.0 20210305" at 68.25,-13.75 h1.2
Bottom Overlay:
  lines w0.254: 0,-12.5 80,-12.5 ; 0,12.5 80,12.5
Mechanical 1:
  the board outline again, w0.254